# Allegro board HY_VREF_V10_220518.brd
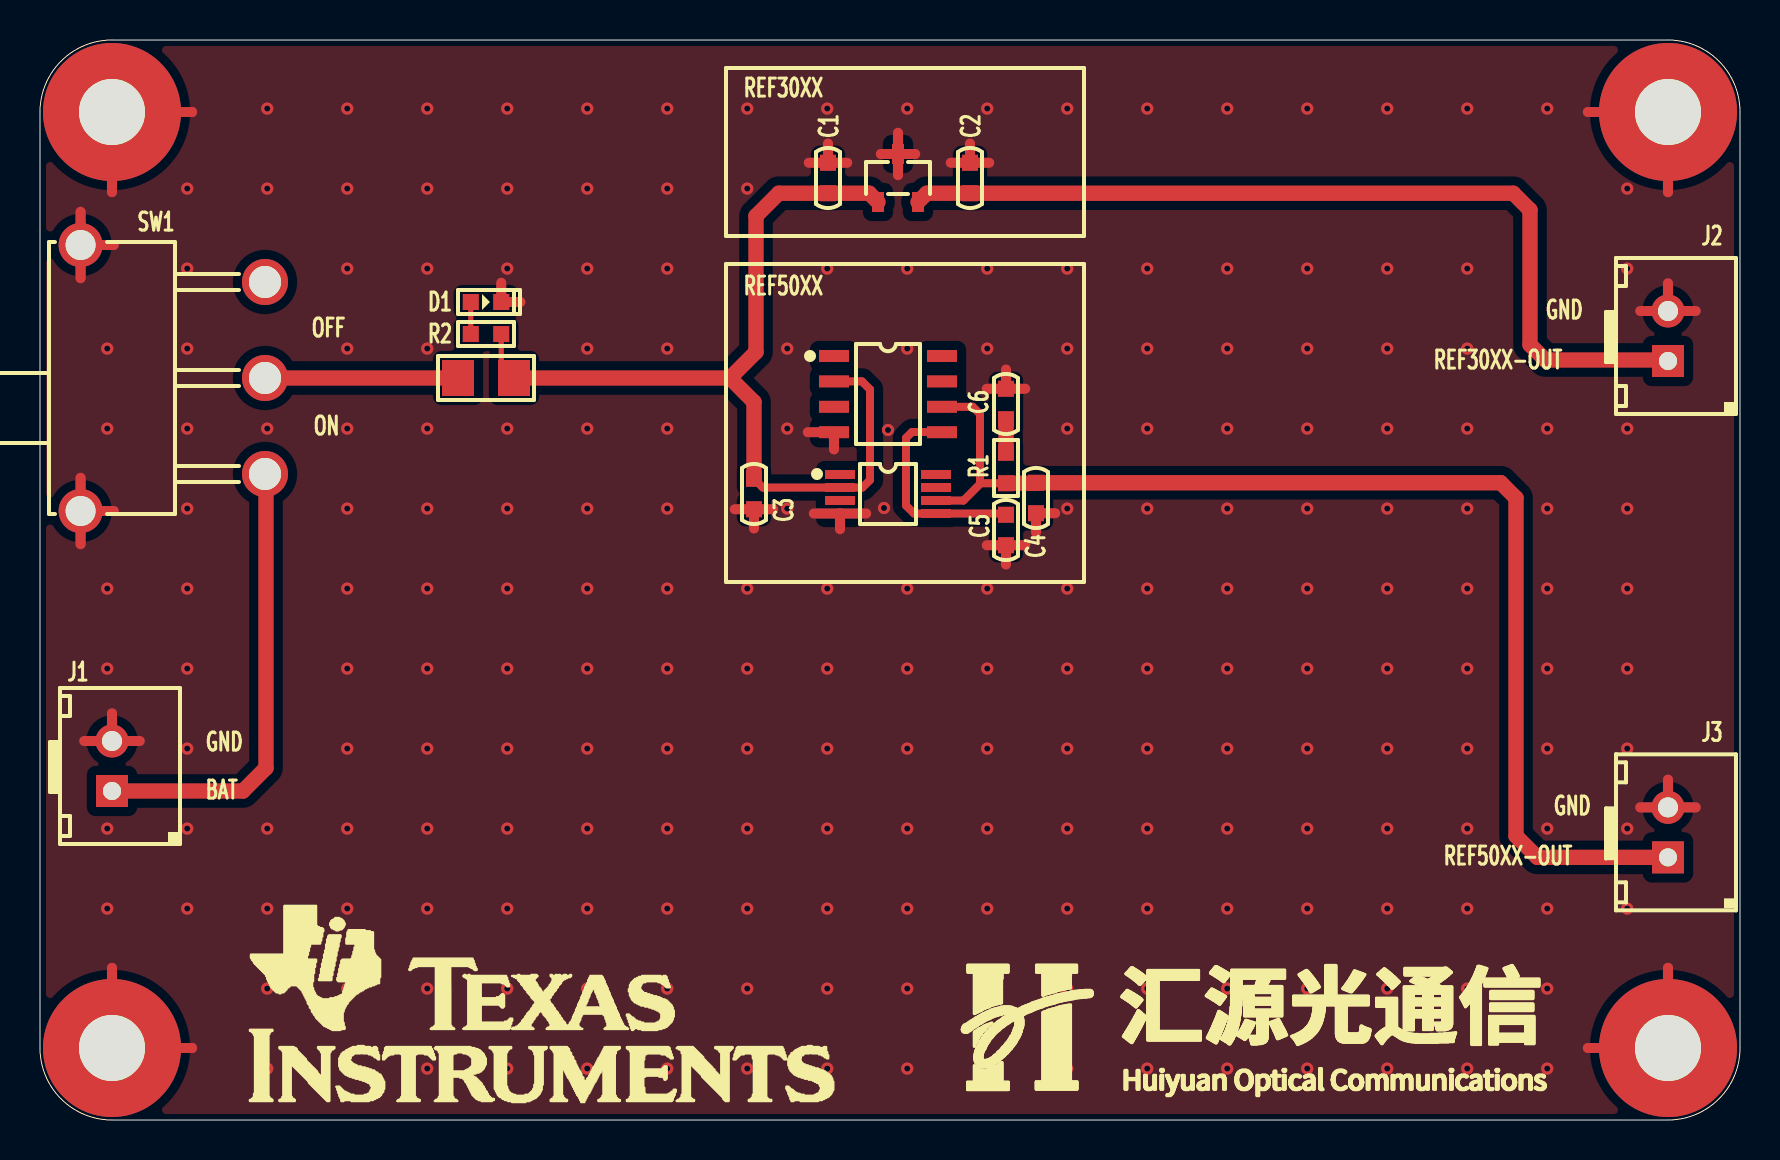
[diagram p0: board, top side]
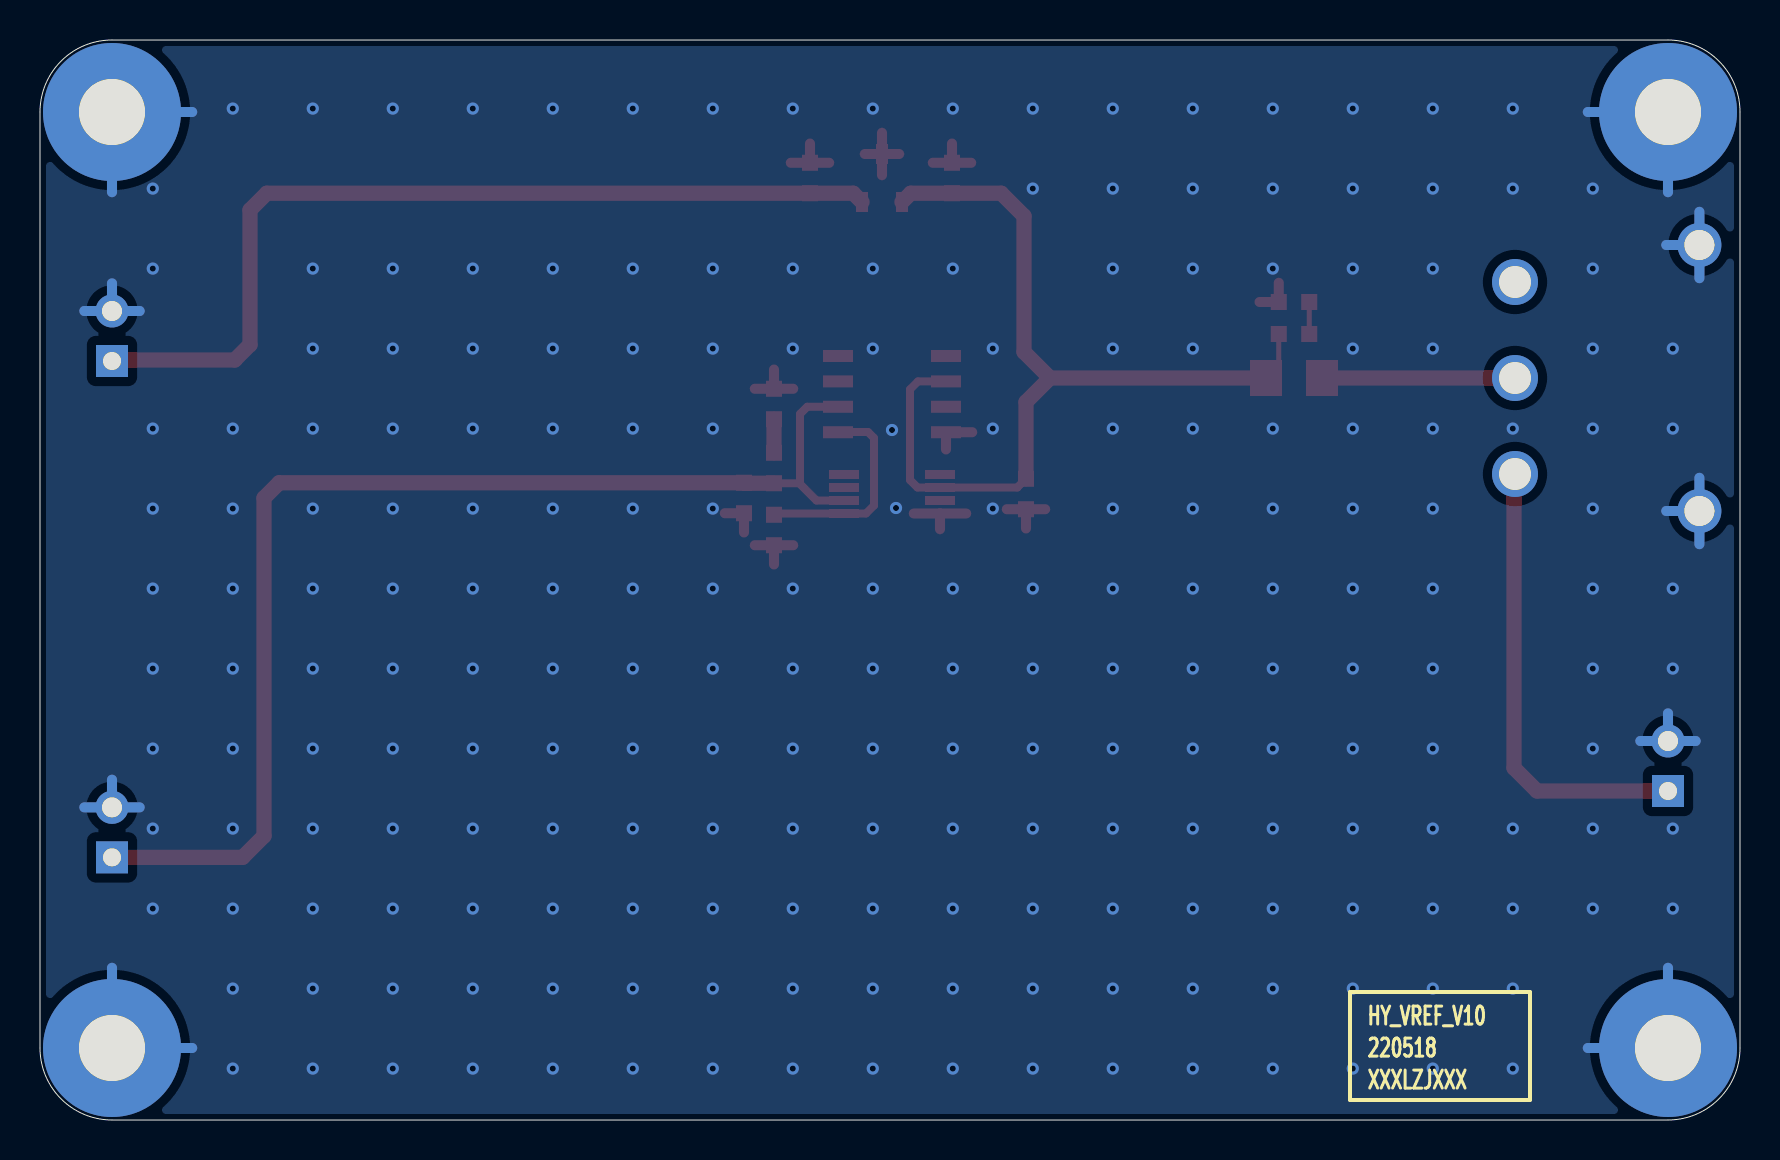
[diagram p1: board, bottom side, seen from below]

Outline 85 x 54 mm; copper layers: TOP, BOTTOM. Coordinates in mm from the lower left corner of the outline.
Outline path: 0,50.4 arc(1.05,52.95) 3.6,54 81.4,54 arc(83.95,52.95) 85,50.4 85,3.6 arc(83.95,1.05) 81.4,0 3.6,0 arc(1.05,1.05) 0,3.6 0,50.4

## Design rules (mm)
constraint set DEFAULT: min track width 0.203, pair gap 0.203

## Placement (name value [footprint] x y rotation side)
C1  10uF_10V  [C0603]  39.4 47.1 90 top
C2  10uF_10V  [C0603]  46.5 47.1 90 top
C3  10uF_10V  [C0603]  35.7 31.3 270 top
C4  10uF_10V  [C0603]  49.8 31.1 270 top
C5  1uF_10V  [C0603]  48.3 29.5 270 top
C6  1uF_10V  [C0603]  48.3 35.8 90 top
D1  GREEN-0603  [LED0603]  22.3 40.9 0 top
F1  0469005.WR  [FUSE1206]  22.3 37.1 0 top
J1  -  [HX25035-2A]  3.6 17.7 90 top
J2  -  [HX25035-2A]  81.4 39.2 90 top
J3  -  [HX25035-2A]  81.4 14.38 90 top
MH1  HOLE-M3/NI  [HOLE6R90X3R40]  81.4 3.6 0 top
MH2  HOLE-M3/NI  [HOLE6R90X3R40]  81.4 50.4 0 top
MH3  HOLE-M3/NI  [HOLE6R90X3R40]  3.6 3.6 0 top
MH4  HOLE-M3/NI  [HOLE6R90X3R40]  3.6 50.4 0 top
NOREF  -  []  0 0 0 top
NOREF#2  -  []  0 0 90 top
R1  1R  [R0603]  48.3 32.6 90 top
R2  4.7K  [R0603]  22.3 39.3 180 top
SW1  -  [SS-12D11G3R]  3.6 37.1 90 top
U1  REF3033AIDBZR  [SOT23-3]  42.9 47.1 270 top
U2  REF5030AIDGKR  [VSSOP8_3R0X3R0X0R65]  42.4 31.3 270 top
U3  REF5030AIDR  [SOIC8]  42.4 36.3 270 top

## Library data of the parts
C1-C6 = CAP NP_3
D1 = LED_4
F1 = FUSE
J1-J3 = CONN RCPT 2
MH1-MH4 = Hold_1
R1 R2 = R_Generic
SW1 = SWITCH_3P
U1 = REF3033AIDBZR
U2 U3 = REF5030AIDGKR

## Footprints (pads in the part's own frame, mm; a bottom-side part is the same pattern mirrored in y, then rotated)
C0603
  rect 0.8x0.8 smd: 1(-0.762,0) 2(0.762,0)
FUSE1206
  rect 1.6x1.8 smd: 1(-1.4,0) 2(1.4,0)
HOLE6R90X3R40
  round 6.9 hole 3.3: 1(0,0)
HX25035-2A
  rect 1.6x1.6 hole 0.9: 1(-1.25,0)
  round 1.65 hole 1: 2(1.25,0)
LED0603
  rect 0.8x0.8 smd: 1(-0.762,0) 2(0.762,0)
R0603
  rect 0.8x0.8 smd: 1(-0.762,0) 2(0.762,0)
SOIC8
  rect 0.6x1.5 smd: 1(-1.9,-2.7) 2(-0.63,-2.7) 3(0.64,-2.7) 4(1.91,-2.7) 5(1.91,2.7) 6(0.64,2.7) 7(-0.63,2.7) 8(-1.9,2.7)
SOT23-3
  rect 1x0.6 smd: 1(1.2,-1) 2(1.2,1) 3(-1.2,0)
SS-12D11G3R
  round 2.2 hole 1.5: 1(-6.65,1.57) 5(6.65,1.57)
  round 2.3 hole 1.6: 2(-4.8,-7.65) 3(0,-7.65) 4(4.8,-7.65)
VSSOP8_3R0X3R0X0R65
  rect 0.45x1.5 smd: 1(-0.975,-2.4) 2(-0.325,-2.4) 3(0.325,-2.4) 4(0.975,-2.4) 5(0.975,2.4) 6(0.325,2.4) 7(-0.325,2.4) 8(-0.975,2.4)

## Nets
GND: C1.2 C2.2 C3.2 C4.2 C5.2 C6.2 D1.2(CATHODE) J1.2 J2.2 J3.2 MH1.1 MH2.1 MH3.1 MH4.1 SW1.1 SW1.5 U1.3 U2.4 U3.4
VCC_3.3V: C2.1 J2.1 U1.2(OUT)
VCC_3V: C4.1 J3.1 R1.1 U2.6(VOUT) U3.6(VOUT)
VCC_4.2V_BAT: C1.1 C3.1 F1.2 R2.1 U1.1 U2.2 U3.2
N17304159: J1.1 SW1.2
N17324256: C5.1 U2.5 U3.5
N17325516: C6.1 R1.2
N17327262: F1.1 SW1.3
N172702351: D1.1 R2.2

Pads without a net: SW1 4; U2 1 3 7 8; U3 1 3 7 8

## Via types
v1: diameter 0.61, hole 0.305, TOP to BOTTOM, 221 vias

## Routing (per net, layer and track width the routed paths; a pad name or vN(x,y) marks a point on that pad's centre or on a via; arc(x,y) is an arc through that point)
GND: length 136.6
  TOP w0.503: 7.61,3.6 MH3.1 3.6,7.61 ; J1.2 3.6,20.33 ; J1.2 2.22,18.95 ; J1.2 4.98,18.95 ; 81.4,46.39 MH2.1 77.39,50.4 ; 23.06,41.86 D1.2 24.02,40.9 ; 38.69,30.32 U2.4 ; U2.4 41.31,30.32 ; U2.4 40,29.54 ; C2.2 46.5,48.82 ; C2.2 45.54,47.86 ; C2.2 47.46,47.86 ; 38.39,34.39 U3.4 39.7,33.53 ; SW1.5 3.69,43.75 ; SW1.5 2.03,45.41 ; SW1.5 2.03,42.09 ; J2.2 81.4,41.83 ; J2.2 80.02,40.45 ; J2.2 82.78,40.45 ; 42.9,47.24 U1.3 ; U1.3 42.04,48.3 ; U1.3 43.76,48.3 ; U1.3 42.9,49.36 ; 49.8,29.38 C4.2 50.76,30.34 ; C6.2 48.3,37.52 ; C6.2 49.26,36.56 ; C6.2 47.34,36.56 ; SW1.1 2.03,32.11 ; SW1.1 3.69,30.45 ; SW1.1 2.03,28.79 ; 7.61,50.4 MH4.1 3.6,46.39 ; 47.34,28.74 C5.2 ; C5.2 49.26,28.74 ; C5.2 48.3,27.78 ; 77.39,3.6 MH1.1 81.4,7.61 ; C1.2 40.36,47.86 ; C1.2 39.4,48.82 ; C1.2 38.44,47.86 ; 35.7,29.58 C3.2 ; C3.2 36.66,30.54 ; C3.2 34.74,30.54 ; 80.02,15.63 J3.2 ; J3.2 82.78,15.63 ; J3.2 81.4,17.02
  BOTTOM w0.503: SW1.5 2.03,45.41 ; SW1.5 3.69,43.75 ; SW1.5 2.03,42.09 ; 7.61,50.4 MH4.1 3.6,46.39 ; 81.4,7.61 MH1.1 77.39,3.6 ; J1.2 4.98,18.95 ; J1.2 2.22,18.95 ; J1.2 3.6,20.33 ; 3.6,7.61 MH3.1 7.61,3.6 ; J3.2 82.78,15.63 ; J3.2 80.02,15.63 ; J3.2 81.4,17.02 ; SW1.1 2.03,32.11 ; SW1.1 2.03,28.79 ; SW1.1 3.69,30.45 ; 80.02,40.45 J2.2 ; J2.2 82.78,40.45 ; J2.2 81.4,41.83 ; 81.4,46.39 MH2.1 77.39,50.4
  vias: v1(3.36,38.57) v1(3.36,34.57) v1(3.36,26.57) v1(3.36,22.57) v1(3.36,14.57) v1(3.36,10.57) v1(7.36,46.57) v1(7.36,42.57) v1(7.36,38.57) v1(7.36,34.57) v1(7.36,30.57) v1(7.36,26.57) v1(7.36,22.57) v1(7.36,18.57) v1(7.36,14.57) v1(7.36,10.57) v1(11.36,50.57) v1(11.36,46.57) v1(11.36,34.57) v1(11.36,14.57) v1(11.36,10.57) v1(11.36,6.57) v1(11.36,2.57) v1(15.36,50.57) v1(15.36,46.57) v1(15.36,42.57) v1(15.36,38.57) v1(15.36,34.57) v1(15.36,30.57) v1(15.36,26.57) v1(15.36,22.57) v1(15.36,18.57) v1(15.36,14.57) v1(15.36,10.57) v1(15.36,6.57) v1(15.36,2.57) v1(19.36,50.57) v1(19.36,46.57) v1(19.36,42.57) v1(19.36,38.57) v1(19.36,34.57) v1(19.36,30.57) v1(19.36,26.57) v1(19.36,22.57) v1(19.36,18.57) v1(19.36,14.57) v1(19.36,10.57) v1(19.36,6.57) v1(19.36,2.57) v1(23.36,50.57) v1(23.36,46.57) v1(23.36,42.57) v1(23.36,34.57) v1(23.36,30.57) v1(23.36,26.57) v1(23.36,22.57) v1(23.36,18.57) v1(23.36,14.57) v1(23.36,10.57) v1(23.36,6.57) v1(23.36,2.57) v1(27.36,50.57) v1(27.36,46.57) v1(27.36,42.57) v1(27.36,38.57) v1(27.36,34.57) v1(27.36,30.57) v1(27.36,26.57) v1(27.36,22.57) v1(27.36,18.57) v1(27.36,14.57) v1(27.36,10.57) v1(27.36,6.57) v1(27.36,2.57) v1(31.36,50.57) v1(31.36,46.57) v1(31.36,42.57) v1(31.36,38.57) v1(31.36,34.57) v1(31.36,30.57) v1(31.36,26.57) v1(31.36,22.57) v1(31.36,18.57) v1(31.36,14.57) v1(31.36,10.57) v1(31.36,6.57) v1(31.36,2.57) v1(35.36,50.57) v1(35.36,46.57) v1(35.36,26.57) v1(35.36,22.57) v1(35.36,18.57) v1(35.36,14.57) v1(35.36,10.57) v1(35.36,6.57) v1(35.36,2.57) v1(37.36,38.57) v1(37.36,34.57) v1(37.36,30.57) v1(39.36,50.57) v1(39.36,42.57) v1(39.36,26.57) v1(39.36,22.57) v1(39.36,18.57) v1(39.36,14.57) v1(39.36,10.57) v1(39.36,6.57) v1(39.36,2.57) v1(42.2,30.6) v1(42.4,34.5) v1(43.36,50.57) v1(43.36,42.57) v1(43.36,38.57) v1(43.36,26.57) v1(43.36,22.57) v1(43.36,18.57) v1(43.36,14.57) v1(43.36,10.57) v1(43.36,6.57) v1(43.36,2.57) v1(47.36,50.57) v1(47.36,42.57) v1(47.36,38.57) v1(47.36,26.57) v1(47.36,22.57) v1(47.36,18.57) v1(47.36,14.57) v1(47.36,10.57) v1(47.36,6.57) v1(47.36,2.57) v1(51.36,50.57) v1(51.36,42.57) v1(51.36,38.57) v1(51.36,34.57) v1(51.36,30.57) v1(51.36,26.57) v1(51.36,22.57) v1(51.36,18.57) v1(51.36,14.57) v1(51.36,10.57) v1(51.36,6.57) v1(51.36,2.57) v1(55.36,50.57) v1(55.36,42.57) v1(55.36,38.57) v1(55.36,34.57) v1(55.36,30.57) v1(55.36,26.57) v1(55.36,22.57) v1(55.36,18.57) v1(55.36,14.57) v1(55.36,10.57) v1(55.36,6.57) v1(55.36,2.57) v1(59.36,50.57) v1(59.36,42.57) v1(59.36,38.57) v1(59.36,34.57) v1(59.36,30.57) v1(59.36,26.57) v1(59.36,22.57) v1(59.36,18.57) v1(59.36,14.57) v1(59.36,10.57) v1(59.36,6.57) v1(59.36,2.57) v1(63.36,50.57) v1(63.36,42.57) v1(63.36,38.57) v1(63.36,34.57) v1(63.36,30.57) v1(63.36,26.57) v1(63.36,22.57) v1(63.36,18.57) v1(63.36,14.57) v1(63.36,10.57) v1(63.36,6.57) v1(63.36,2.57) v1(67.36,50.57) v1(67.36,42.57) v1(67.36,38.57) v1(67.36,34.57) v1(67.36,30.57) v1(67.36,26.57) v1(67.36,22.57) v1(67.36,18.57) v1(67.36,14.57) v1(67.36,10.57) v1(67.36,6.57) v1(67.36,2.57) v1(71.36,50.57) v1(71.36,42.57) v1(71.36,38.57) v1(71.36,34.57) v1(71.36,30.57) v1(71.36,26.57) v1(71.36,22.57) v1(71.36,18.57) v1(71.36,14.57) v1(71.36,10.57) v1(71.36,6.57) v1(71.36,2.57) v1(75.36,50.57) v1(75.36,34.57) v1(75.36,30.57) v1(75.36,26.57) v1(75.36,22.57) v1(75.36,18.57) v1(75.36,14.57) v1(75.36,10.57) v1(75.36,6.57) v1(75.36,2.57) v1(79.36,46.57) v1(79.36,42.57) v1(79.36,34.57) v1(79.36,30.57) v1(79.36,26.57) v1(79.36,22.57) v1(79.36,18.57) v1(79.36,14.57) v1(79.36,10.57)
VCC_3.3V: length 45.1
  TOP w0.762: U1.2 44.34,46.34 C2.1 73.66,46.34 74.5,45.5 74.5,38.76 75.26,38 81.35,38 J2.1
VCC_3V: length 60.4
  TOP w0.4: 47.04,31.84 46.17,30.98 U2.6 ; 47.04,31.84 47,31.88 47,35.3 46.64,35.66 U3.6 ; 47.04,31.84 R1.1 ; 49.8,31.66 49.62,31.84
  TOP w0.762: J3.1 74.87,13.13 73.8,14.2 73.8,31.1 73.04,31.86 C4.1 49.78,31.84 R1.1
VCC_4.2V_BAT: length 46.8
  TOP w0.254: F1.2 23.06,37.74 R2.1
  TOP w0.4: C3.1 36.14,31.62 U2.2 41.12,31.62 41.5,32 41.5,36.53 41.1,36.93 U3.2
  TOP w0.762: C3.1 35.7,35.9 34.5,37.1 ; 34.5,37.1 35.8,38.4 35.8,45.2 36.94,46.34 C1.1 41.46,46.34 U1.1 ; 34.5,37.1 F1.2
N17304159: length 22.9
  TOP w0.762: J1.1 10.15,16.45 11.3,17.6 11.3,32.25 SW1.2
N17324256: length 10.5
  TOP w0.4: U3.5 45.09,34.4 43.6,34.4 43.3,34.1 43.3,30.73 43.7,30.32 U2.5 48.24,30.32 C5.1
N17325516: length 1.7
  TOP w0.762: R1.2 C6.1
N17327262: length 9.6
  TOP w0.762: SW1.3 F1.1
N172702351: length 1.6
  TOP w0.254: R2.2 D1.1

## Copper pours and planes (outline as drawn; the poured copper is in the pictures)
GND on TOP: 84.7,3.6 83.73,1.27 81.4,0.3 3.6,0.3 1.27,1.27 0.3,3.6 0.3,50.4 1.27,52.73 3.6,53.7 81.4,53.7 83.73,52.73 84.7,50.4 ; 1 cut-out
GND on BOTTOM: 84.7,3.6 83.73,1.27 81.4,0.3 3.6,0.3 1.27,1.27 0.3,3.6 0.3,50.4 1.27,52.73 3.6,53.7 81.4,53.7 83.73,52.73 84.7,50.4

## Text on the board
Ref Des/Silkscreen Bottom: HY_VREF_V10 | 220518 | XXXLZJXXX
Ref Des/Silkscreen Top: GND | BAT | OFF | ON | REF30XX | REF50XX | REF30XX-OUT | REF50XX-OUT
DEVICE_TYPE_TOP: FIGURE | FINISHED_SIZE | 0.3048 | 0.9 | 1.0 | 1.5 | 1.6 | 3.3 | DRILL CHART: TOP to BOTTOM | ALL UNITS ARE IN MILLIMETERS | PLATED | QTY | 221 | 3 | 2 | 4 | 236 | TOTAL HOLES:
